# Altium PCB PCB1.PcbDoc
Units mil, origin at the board's own origin, x right, y up, seen from the top; angles counter-clockwise.
Board outline 1965.03 x 2570.03 mil, 4 copper layers (Top Layer, Layer 1, Layer 2, Bottom Layer), stack 23.756 mil thick; 73 components, 88 nets, 357 pads, 118 vias.
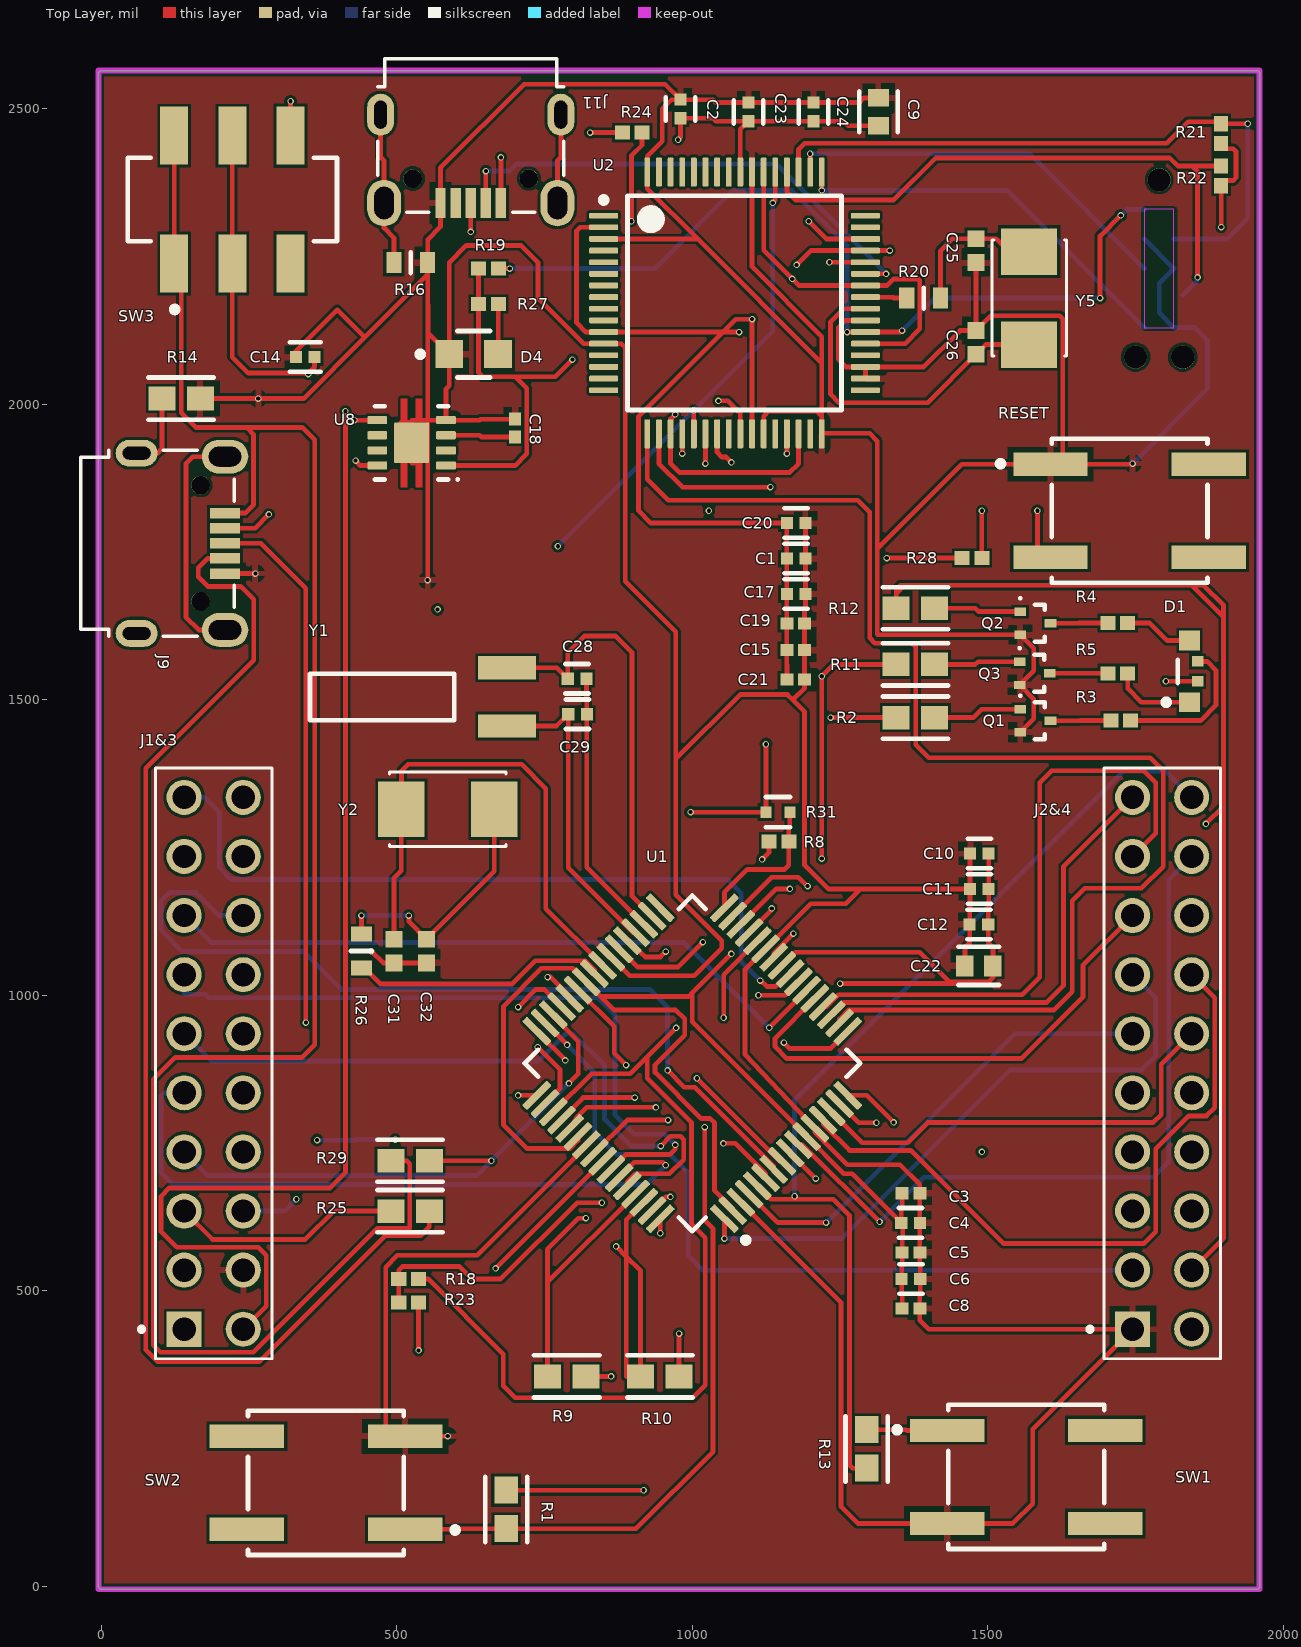
[diagram p0: Top Layer view]
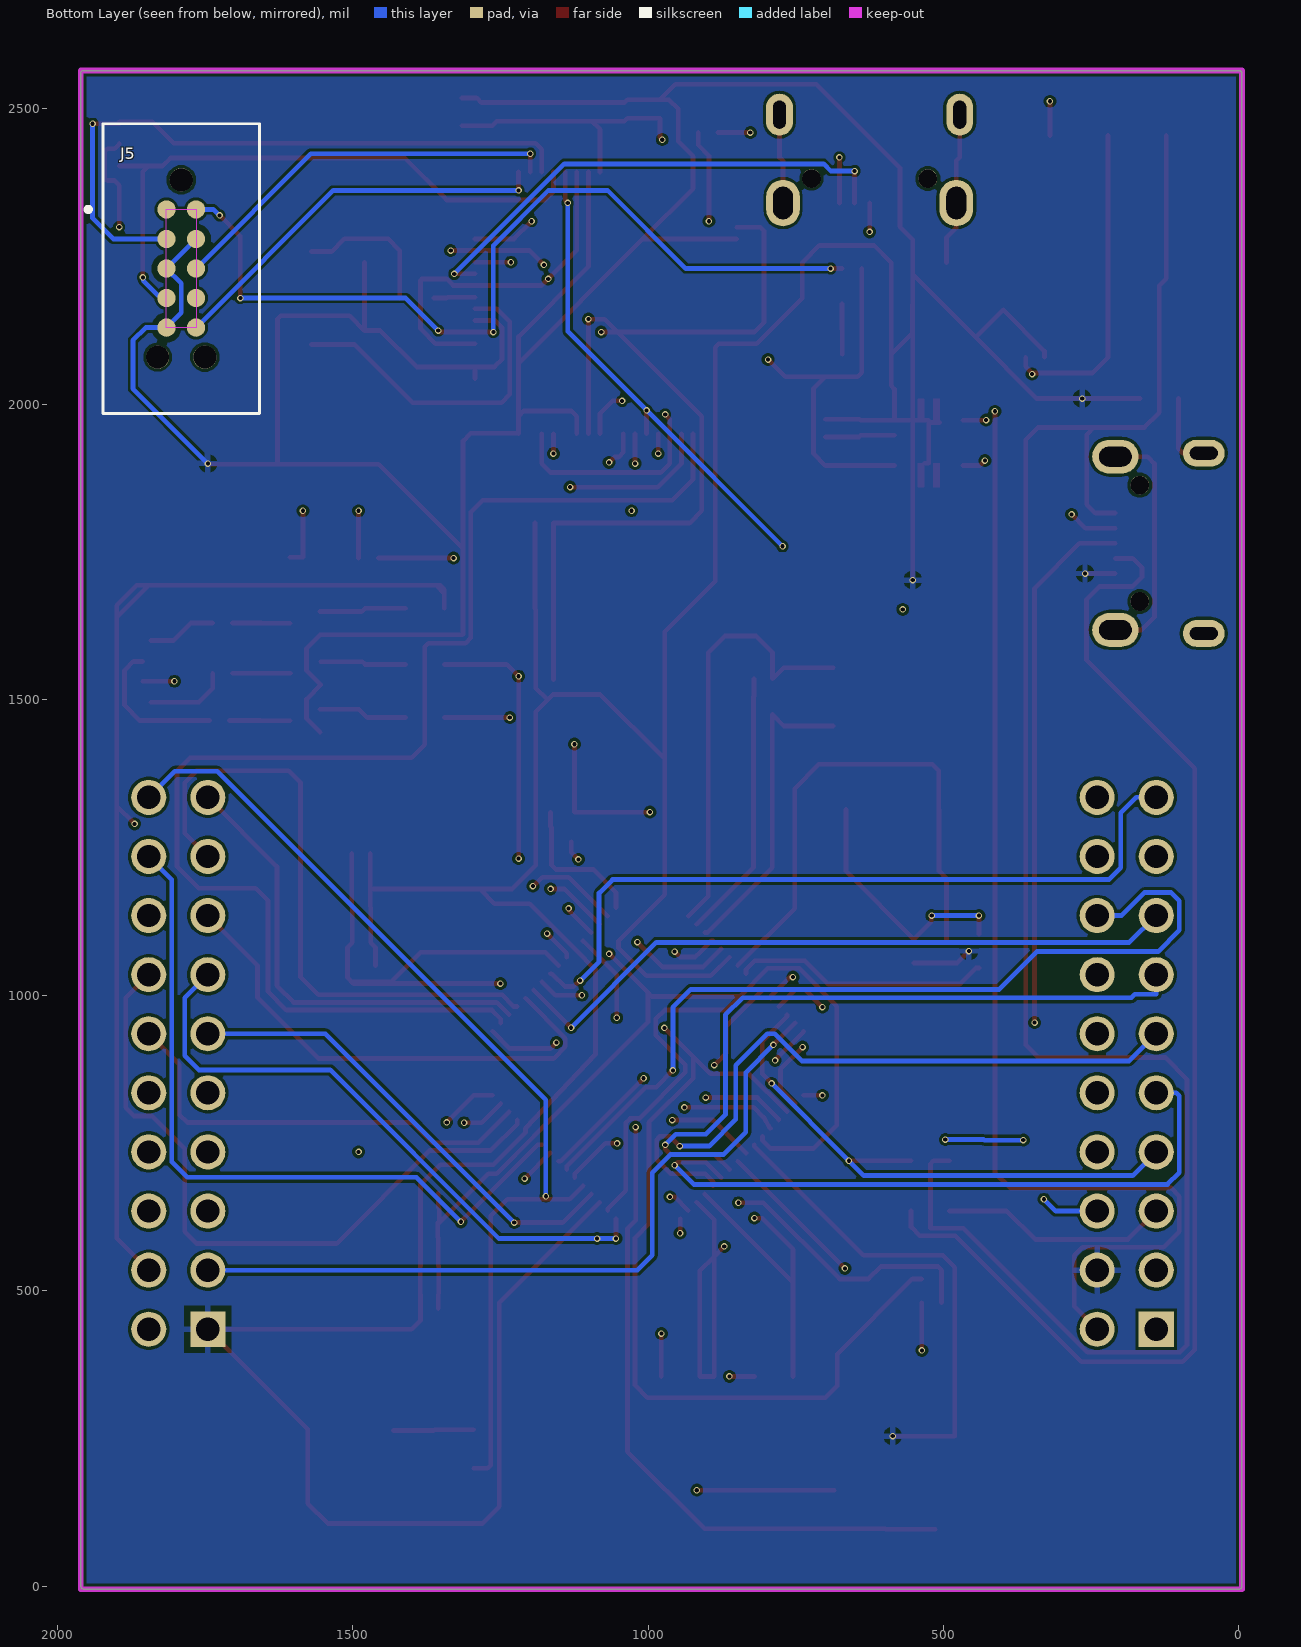
[diagram p1: Bottom Layer view, seen from below]
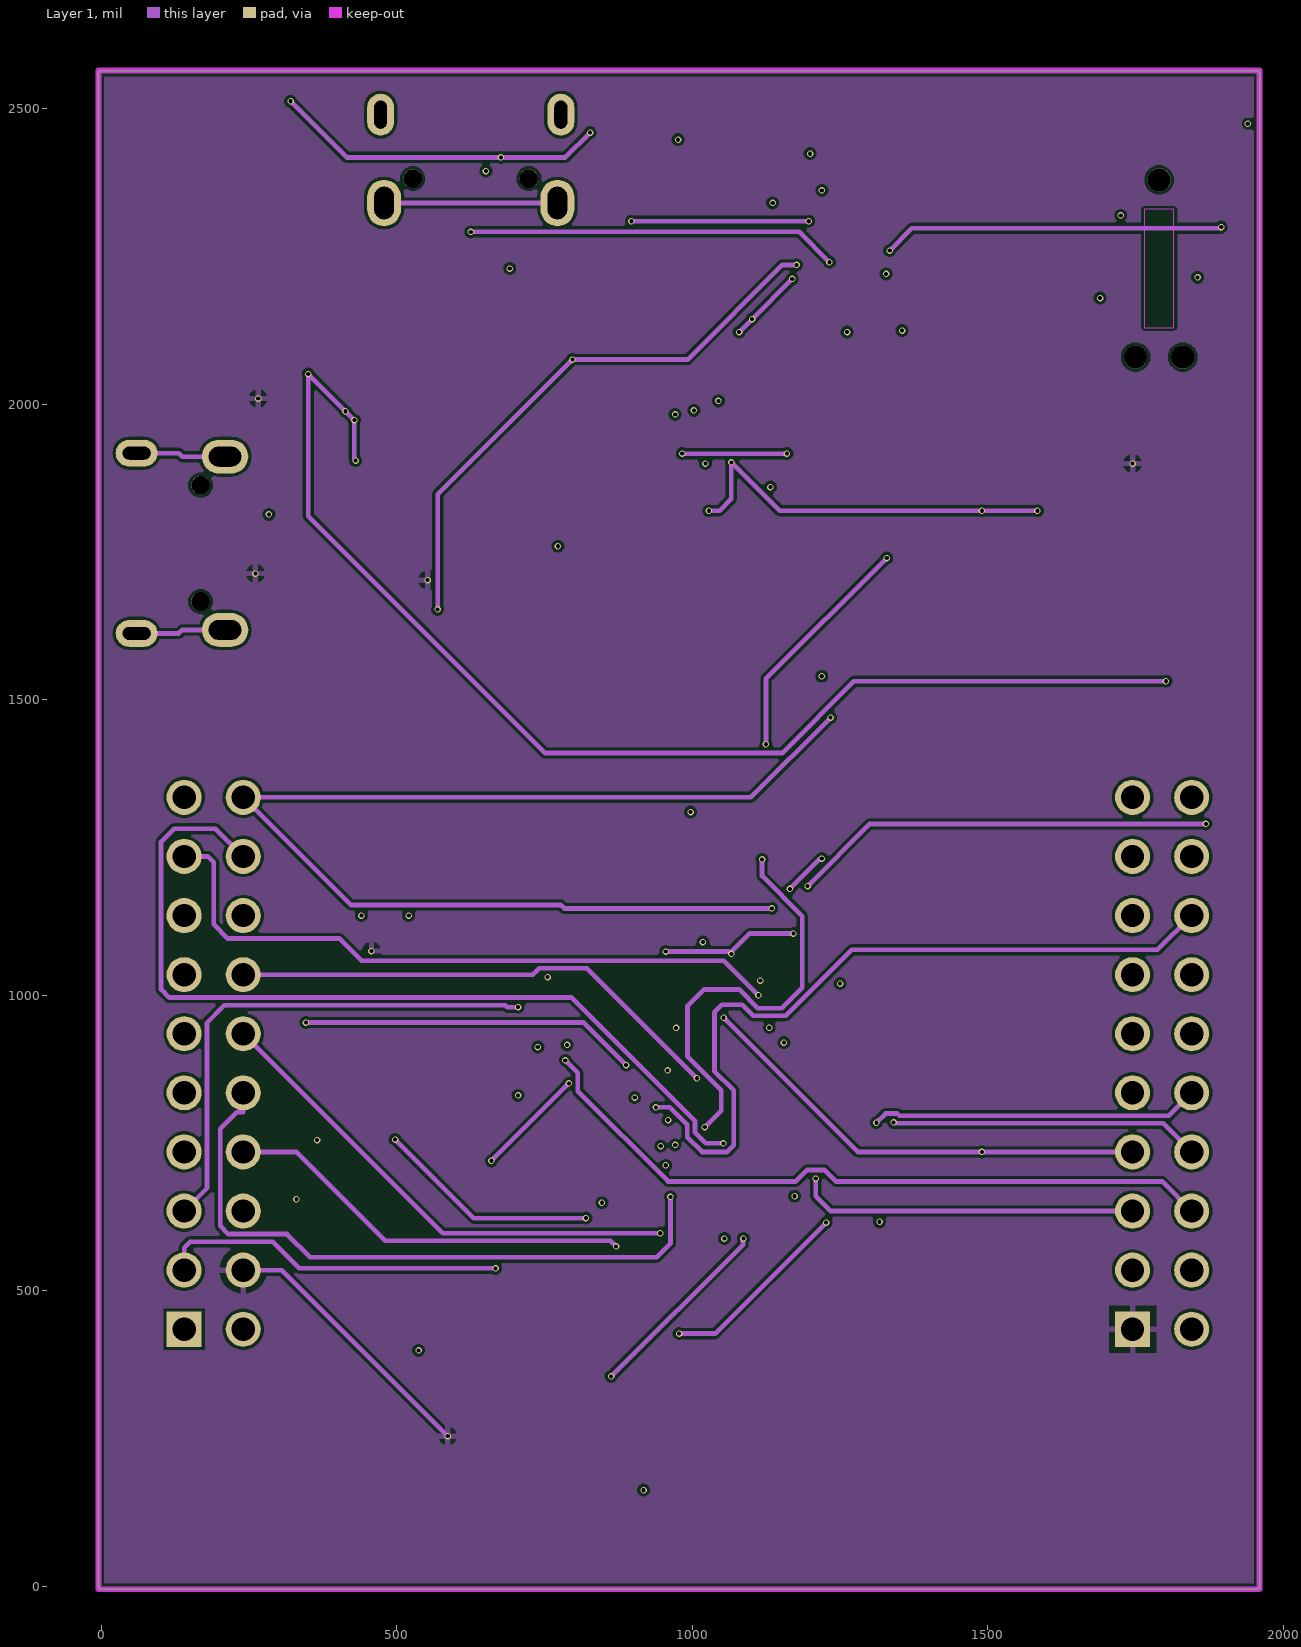
[diagram p2: Layer 1]
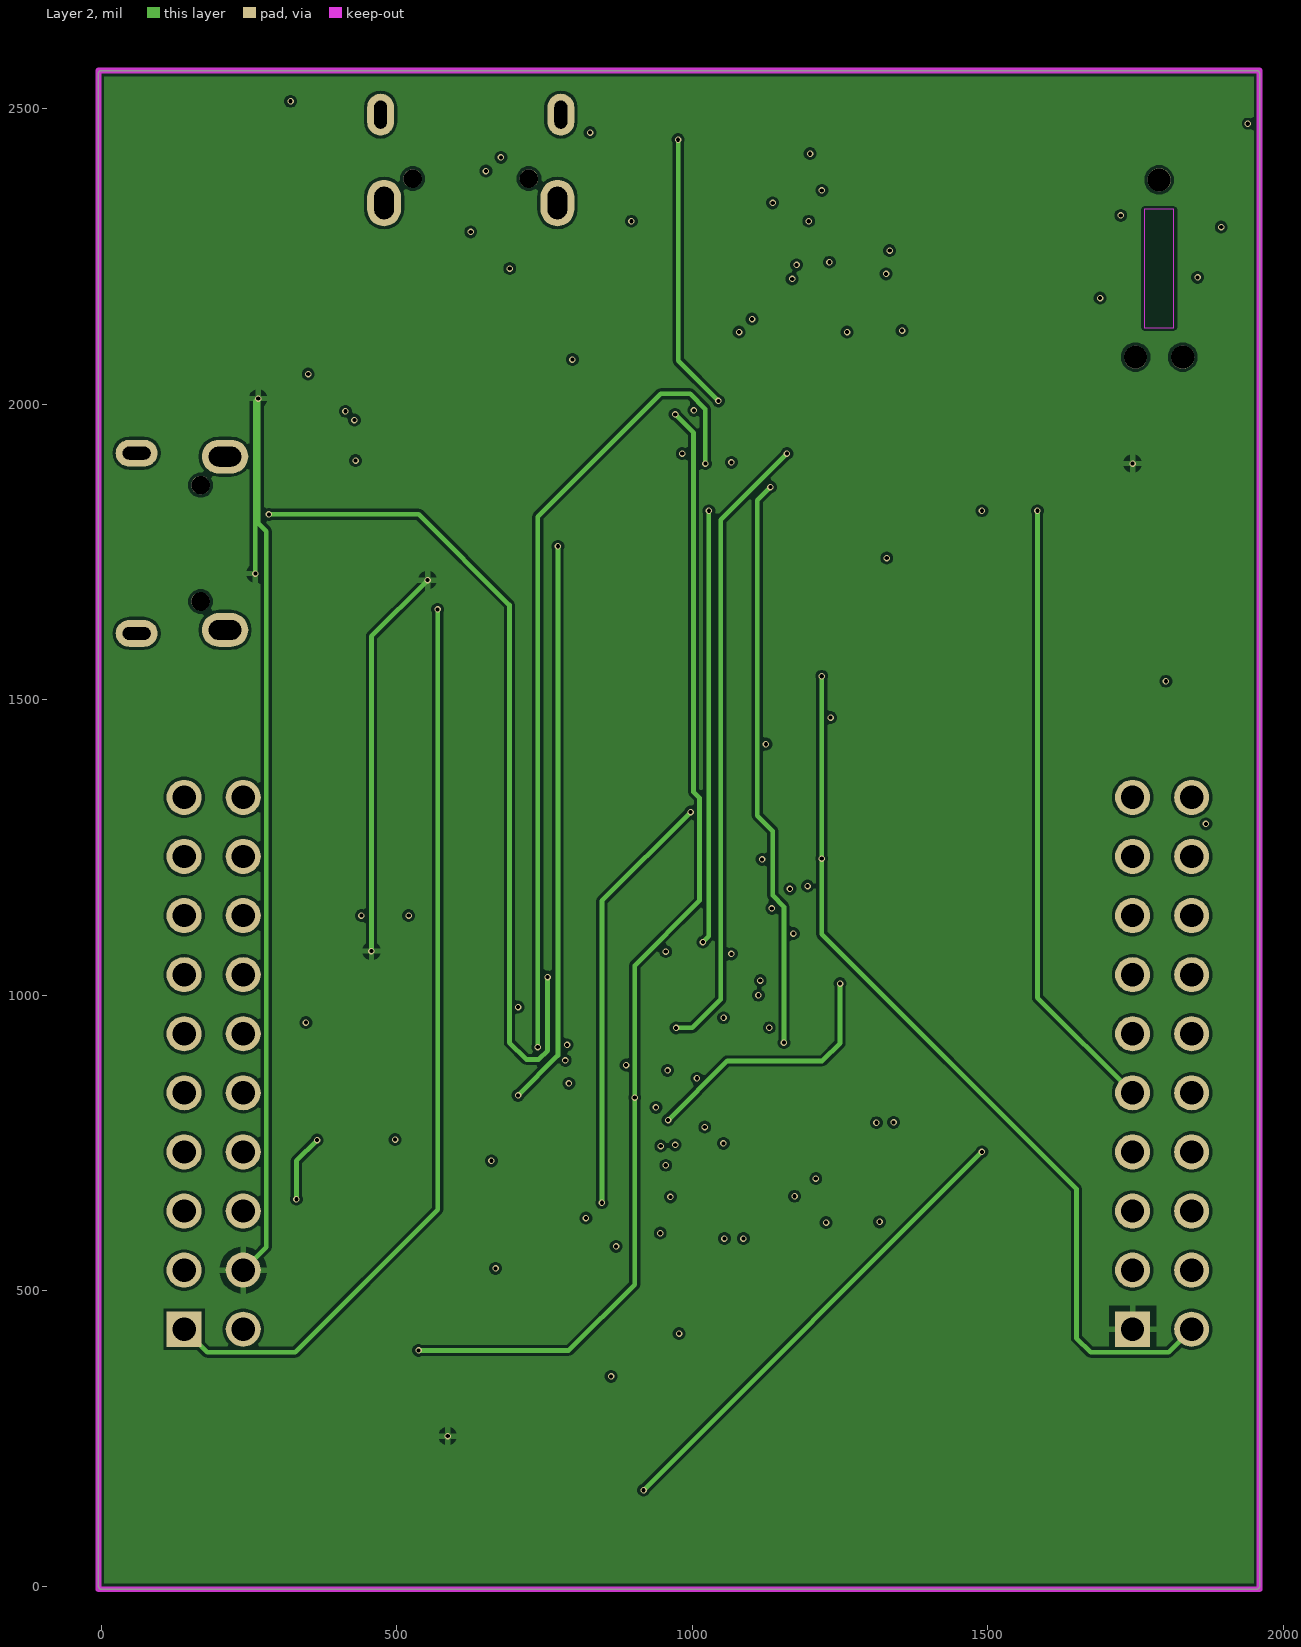
[diagram p3: Layer 2]
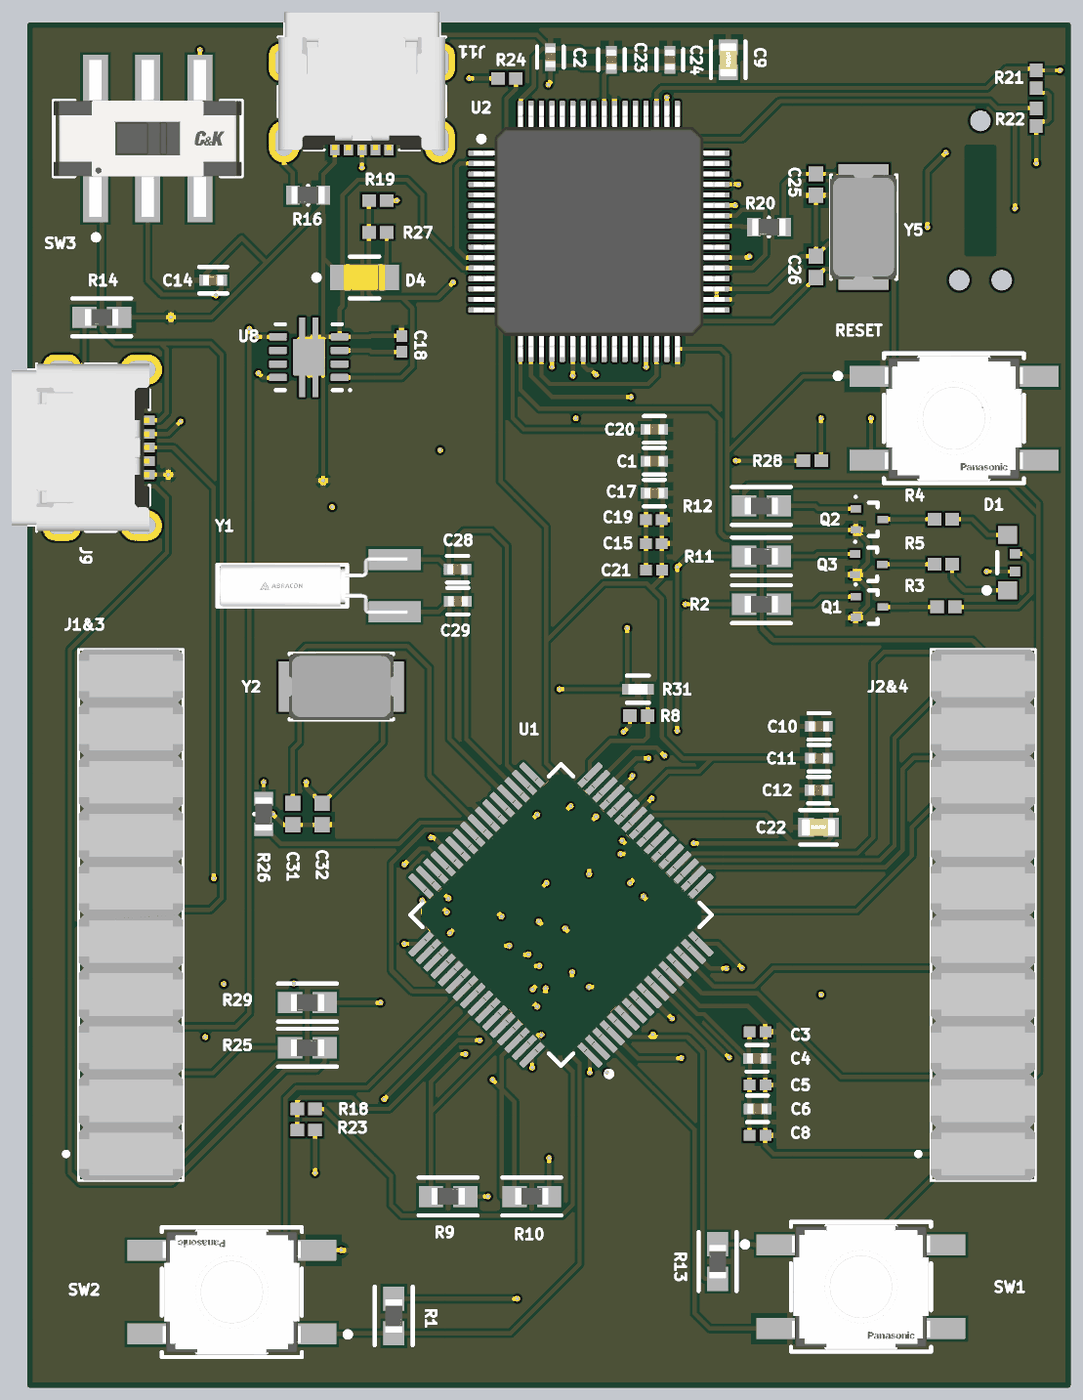
[diagram p4: 3D render of the assembled board from above, using the file's embedded part models]

## Layer stack, top to bottom
Top Solder: solder mask 0.4, Solder Resist, Dk 3.5
Top Layer: signal copper 1.4
Dielectric 2: prepreg 2.8, PP-006, Dk 4.1
Layer 1: signal copper 1.378
Dielectric 1: dielectric 12.6, FR-4, Dk 4.8
Layer 2: signal copper 1.378
Dielectric 3: prepreg 2.8, PP-006, Dk 4.1
Bottom Layer: signal copper 1.4
Bottom Solder: solder mask 0.4, Solder Resist, Dk 3.5

## Board outline
0,-5.01 cw(c0,0) -5.01,0 -5.01,2560 cw(c0,2560) 0,2565.01 1955,2565.01 cw(c1955,2560) 1960.01,2560 1960.01,0 cw(c1955,0) 1955,-5.01

## Design rules (kind name [scope] priority, off if disabled: settings)
Clearance [All] p1: gap=5 ignorepadtopadclearanceinfootprint=FALSE except(0: Track-Region SMDPad-Region)
MinimumSolderMaskSliver [All] p1: minsoldermaskwidth=1
PolygonConnect [All] p1: connectstyle=Relief reliefconductorwidth=10 reliefentries=4 polygonreliefangle="90 Angle" airgapwidth=10
RoutingVias [All] p1: holewidth=7 width=11 viastyle="Through Hole" minholewidth=6 minwidth=10 maxholewidth=8 maxwidth=12
SilkToSilkClearance [All] p1: silktosilkclearance=5
SilkToSolderMaskClearance [IsPad] p1: minsilkscreentomaskgap=5 clearancetoexposedcopper=TRUE
SolderMaskExpansion [All] p1: expansion=4 istentingtop=FALSE
Width [All] p1: maxlimit=20 minlimit=3.5 preferedwidth=8 minimp=50.000000 maximp=50.000000 favimp=50.000000
27 further rules are at their usual default settings.

## Components (designator, comment, footprint, x,y, rotation, side; value= is the part's Value field where it differs from the comment)
C1 "0.1uF" FP-C0402-BB-MFG 1175.75,1739.17 r0 top value="0.10 μF"
C2 "0.1uF" FP-C0402-BB-MFG 980,2500 r90 top value="0.10 μF"
C3 "0.01uF" CAPC1005X55X30LL05T10 1370,665 r180 top
C4 "0.1uF" FP-C0402-BB-MFG 1369.25,615 r0 top value="0.10 μF"
C5 "0.01uF" CAPC1005X55X30LL05T10 1370,565 r180 top
C6 "0.1uF" FP-C0402-BB-MFG 1370,520 r0 top value="0.10 μF"
C8 "0.01uF" CAPC1005X55X30LL05T10 1370,470 r180 top
C9 "2.2uF" FP-C0603C225K4PACTU-MFG 1315,2495 r90 top
C10 "0.1uF" FP-C0402-BB-MFG 1485.75,1240 r180 top value="0.10 μF"
C11 "0.1uF" FP-C0402-BB-MFG 1485.75,1180 r180 top value="0.10 μF"
C12 "0.1uF" FP-C0402-BB-MFG 1485,1120 r180 top value="0.10 μF"
C14 "C0402C105K8PACTU" FP-C0402C105K8PACTU-MFG 345,2080 r180 top
C15 "0.01uF" CAPC1005X55X30LL05T10 1174.96,1584.17 r180 top
C17 "0.1uF" FP-C0402-BB-MFG 1175.75,1679.17 r0 top value="0.10 μF"
C18 "C0402C103K5RACTU" CAPC1005X55X30LL05T10 700,1960 r270 top
C19 "0.01uF" CAPC1005X55X30LL05T10 1174.96,1629.17 r180 top
C20 "0.1uF" FP-C0402-BB-MFG 1175.75,1799.17 r0 top value="0.10 μF"
C21 "0.01uF" CAPC1005X55X30LL05T10 1175,1534.17 r180 top
C22 "2.2uF" FP-C0603C225K4PACTU-MFG 1485,1050 r180 top
C23 "0.1uF" FP-C0402-BB-MFG 1095,2495 r90 top value="0.10 μF"
C24 "0.1uF" FP-C0402-BB-MFG 1205,2495 r90 top value="0.10 μF"
C25 "10pF" CAPC1005X55X25ML05T05 1480,2260.08 r90 top
C26 "10pF" CAPC1005X55X25ML05T05 1480,2105 r270 top
C28 "24pF" FP-C0402-BB-MFG 805,1535.75 r0 top value="24 pF"
C29 "24pF" FP-C0402-BB-MFG 805.75,1475.75 r180 top value="24 pF"
C31 "10pF" CAPC1005X55X25ML05T05 495,1074.92 r90 top
C32 "10pF" CAPC1005X55X25ML05T05 550,1074.92 r90 top
D1 "HSMF-C113" AVAG-HSMF-C11X_H1_V 1841.22,1548.27 r90 top
D4 "LTST-C170AKT" FP-LTST-C170AKT-MFG 630,2085 r0 top
J1&3 "1-826656-0" TE_1-826656-0 190,885 r90 top
J2&4 "1-826656-0" TE_1-826656-0 1795,885 r90 top
J5 "TC2050-IDC-NL" TAG-CONNECT_TC2050-IDC-NL 1815,2330 r180 bottom
J9 "629105150521" 629105150521 95,1765 r270 top
J11 "629105150521" 629105150521 625,2455 r180 top
Q1 "DTC114EET1G" ONSC-SC-75-3-463-01_V 1580.49,1464.69 r0 top
Q2 "DTC114EET1G" ONSC-SC-75-3-463-01_V 1580.49,1629.69 r0 top
Q3 "DTC114EET1G" ONSC-SC-75-3-463-01_V 1579.51,1545 r0 top
R1 "CR0603-JW-102ELF" FP-CR0603-IPC_A 685,130 r270 top
R2 "CR0603-JW-102ELF" FP-CR0603-IPC_A 1377.44,1470 r0 top
R3 "CR0402-FX-3300GLF" RESC1005X40X25NL10T10 1725,1465 r0 top
R4 "CR0402-FX-3300GLF" RESC1005X40X25NL10T10 1720,1630 r0 top
R5 "CR0402-FX-3300GLF" RESC1005X40X25NL10T10 1720,1545 r0 top
R8 "CR0402-FX-3300GLF" RESC1005X40X25NL10T10 1146.55,1260 r180 top
R9 "CR0603-JW-102ELF" FP-CR0603-IPC_A 787.44,355 r0 top
R10 "CR0603-JW-102ELF" FP-CR0603-IPC_A 945,355 r0 top
R11 "CR0603-JW-102ELF" FP-CR0603-IPC_A 1377.44,1560 r0 top
R12 "CR0603-JW-102ELF" FP-CR0603-IPC_A 1377.44,1655 r0 top
R13 "CR0603-JW-102ELF" FP-CR0603-IPC_A 1295,232.44 r90 top
R14 "CR0603-JW-102ELF" FP-CR0603-IPC_A 135,2010 r180 top
R16 "0" FP-CR0603-MFG 523.54,2240 r180 top
R18 "10k" RESC1005X40X25NL10T10 520,520 r0 top
R19 "CR0402-FX-1002GLF" RESC1005X40X25NL10T10 655,2230 r180 top
R20 "0" FP-CR0603-MFG 1391.46,2180 r180 top
R21 "10k" RESC1005X40X25NL10T10 1895,2458.27 r90 top
R22 "10k" RESC1005X40X25NL10T10 1895,2386.73 r90 top
R23 "10k" RESC1005X40X25NL10T10 520,480 r0 top
R24 "330" RESC1005X40X25NL10T10 898.27,2460 r0 top
R25 "CR0603-JW-102ELF" FP-CR0603-IPC_A 522.44,635 r0 top
R26 "CR0603-J/-000ELF" FP-CR0603-MFG 440,1075 r270 top
R27 "CR0402-FX-3300GLF" RESC1005X40X25NL10T10 655,2170 r180 top
R28 "10k" RESC1005X40X25NL10T10 1473.27,1740 r0 top
R29 "CR0603-JW-102ELF" FP-CR0603-IPC_A 522.44,720 r180 top
R31 "1M" FP-CR0402-MFG 1144.82,1310 r180 top
RESET "EVQ-Q2B02W" FP-EVQ-Q2B02W-MFG 1740,1820 r0 top
SW1 "EVQ-Q2B02W" FP-EVQ-Q2B02W-MFG 1565,185 r0 top
SW2 "EVQ-Q2B02W" FP-EVQ-Q2B02W-MFG 380,175 r180 top
SW3 "JS202011SCQN" FP-JS202011SCQN-MFG 221.57,2346.73 r0 top
U1 "TM4C123GH6PMI7" FP-PM0064A-MFG 1000,885 r135 top
U2 "TM4C123GH6PMI" PM0064A_L 1071.46,2171.73 r0 top
U8 "TPS73633DRBR" DRB0008A_V 525,1935 r180 top
Y1 "32.7680KHZ" FP-AB26TRB-MFG 475,1505 r0 top
Y2 "16MHZ" XTAL_NX5032GA-16.000000MHZ-LN-CD-1 586.26,1315 r0 top
Y5 "16MHZ" XTAL_NX5032GA-16.000000MHZ-LN-CD-1 1570,2180 r270 top

## Footprints (in the part's own frame and the unit in brackets; to place one, negate y for a bottom-side part, rotate by r counter-clockwise, add the part's x,y. Pads: shape width x height; smd on the part's side, far side on the other; paste and mask are expansions set on the pad)
629105150521 [mm] "Micro USB 2.0 SMT Type B Horizontal 5 Contacts High Current"
  rect 0.45x1.3 smd: 1(-1.3,2.9) 2(-0.65,2.9) 3(0,2.9) 4(0.65,2.9) 5(1.3,2.9)
  round 0.8 hole 0.8 unplated: MH1(-2.5,1.85) MH2(2.5,1.85)
  oval 1.15x1.8 hole 0.55 slot 1.2 at 90 deg: Shell(-3.875,-0.9) Shell(3.875,-0.9)
  oval 1.45x2 hole 0.85 slot 1.4 at 90 deg: Shell(-3.725,2.9) Shell(3.725,2.9)
  silkscreen extent -4,-3.3 4,3.3, body extent -4,-3.3 4,3.3, height 2.75
AVAG-HSMF-C11X_H1_V [mm] "SMD, 4-Leads, Body 2.5x1mm"
  rect 0.85x0.9 smd: 1(-1.325,0) 4(1.325,0)
  rect 0.45x0.5 smd: 2(-0.425,-0.35) 3(0.425,-0.35)
  silkscreen extent -1.45,0.5 0.5,1.12, body extent -1.25,-0.5 1.25,0.5, height 1
CAPC1005X55X25ML05T05 [mm] "Chip Capacitor, 2-Leads, Body 1.00x0.50mm, IPC Low Density"
  rect 0.72x0.72 smd: 1(-0.51,0) 2(0.51,0)
  body extent -0.53,-0.28 0.53,0.27, height 0.55
CAPC1005X55X30LL05T10 [mm] "Chip Capacitor, 2-Leads, Body 1.00x0.50mm, IPC High Density"
  rect 0.56x0.52 smd: 1(-0.38,0) 2(0.38,0)
  body extent -0.53,-0.28 0.53,0.28, height 0.55
DRB0008A_V [mm] "SON, 8-Leads, Body 3x3mm, Pitch 0.65mm, Thermal Pad 1.50 x 3.8mm"
  rrect29% 0.85x0.35 smd: 1(-1.475,0.975) 2(-1.475,0.325) 3(-1.475,-0.325) 4(-1.475,-0.975) 5(1.475,-0.975) 6(1.475,-0.325) 7(1.475,0.325) 8(1.475,0.975)
  rrect7% 1.5x1.75 smd: 9(0,0)
  Top Layer region: 0.185,0.875 0.185,1.9 0.465,1.9 0.465,0.875
  Top Layer region: -0.185,-0.875 -0.185,-1.9 -0.465,-1.9 -0.465,-0.875
  Top Layer region: 0.185,-0.875 0.185,-1.9 0.465,-1.9 0.465,-0.875
  Top Layer region: -0.185,0.875 -0.185,1.9 -0.465,1.9 -0.465,0.875
  silkscreen extent -2.02,-1.58 1.58,1.62, body extent -1.5,-1.5 1.5,1.5, height 1
FP-AB26TRB-MFG [mm]
  rect 2.5x1 smd paste+0 mask+0: 1(5.375,1.25) 2(5.375,-1.25)
  silkscreen extent -3.1,-1 3.1,1, body extent -3.2,-1.85 6.73,1.85, height 0.25
FP-C0402-BB-MFG [mm]
  rect 0.52x0.52 smd paste+0 mask+0: 1(-0.4,0) 2(0.4,0)
  silkscreen extent -0.5,-0.64 0.5,0.64, body extent -0.8,-0.4 0.8,0.4, height 0.25
FP-C0402C105K8PACTU-MFG [mm]
  rect 0.52x0.52 smd paste+0 mask+0: 1(-0.4,0) 2(0.4,0)
  silkscreen extent -0.67,-0.64 0.67,0.64, body extent -0.8,-0.4 0.8,0.4, height 0.25
FP-C0603C225K4PACTU-MFG [mm]
  rect 0.75x0.9 smd paste+0 mask+0: 1(-0.6,0) 2(0.6,0)
  silkscreen extent -0.87,-0.82 0.87,0.82, body extent -1.2,-0.6 1.2,0.6, height 0.25
FP-CR0402-MFG [mm]
  rect 0.475x0.5 smd paste+0 mask+0: 1(-0.513,0) 2(0.513,0)
  silkscreen extent -0.53,-0.65 0.53,0.65, body extent -0.85,-0.38 0.85,0.38, height 0.25
FP-CR0603-IPC_A [mil]
  rect 45.6x39.85 smd paste+0 mask+0: 1(-32.56,0) 2(32.56,0)
  silkscreen extent -55,-36 55,36, body extent -75,-40 75,40, height 10
FP-CR0603-MFG [mm]
  rect 0.65x0.9 smd paste+0 mask+0: 1(-0.725,0) 2(0.725,0)
  silkscreen extent 0,-0.45 0,0.45, body extent -1.15,-0.55 1.15,0.55, height 0.25
FP-EVQ-Q2B02W-MFG [mm]
  rect 3.2x1 smd paste+0 mask+0: A(-3.4,2) A'(3.4,2) B(-3.4,-2) B'(3.4,-2)
  silkscreen extent -5.67,-3.1 3.35,3.1, body extent -5.1,-3.2 5.1,3.2, height 0.25
FP-JS202011SCQN-MFG [mm]
  rect 1.2x2.5 smd paste+0 mask+0: 1(-2.5,-2.75) 2(0,-2.75) 3(2.5,-2.75) 4(-2.5,2.75) 5(0,2.75) 6(2.5,2.75)
  silkscreen extent -4.5,-4.85 4.5,1.8, body extent -4.6,-4.1 4.6,4.1, height 0.25
FP-LTST-C170AKT-MFG [mm]
  rect 1.2x1.2 smd paste+0 mask+0: 1(-1.05,0) 2(1.05,0)
  silkscreen extent -2.42,-1 0.7,1, body extent -1.75,-0.77 1.75,0.77, height 0.25
FP-PM0064A-MFG [mm]
  rrect33% 1.5x0.3 smd paste+0 mask+0: 1(-5.7,3.75) 2(-5.7,3.25) 3(-5.7,2.75) 4(-5.7,2.25) 5(-5.7,1.75) 6(-5.7,1.25) 7(-5.7,0.75) 8(-5.7,0.25) 9(-5.7,-0.25) 10(-5.7,-0.75) 11(-5.7,-1.25) 12(-5.7,-1.75) 13(-5.7,-2.25) 14(-5.7,-2.75) 15(-5.7,-3.25) 16(-5.7,-3.75) 33(5.7,-3.75) 34(5.7,-3.25) 35(5.7,-2.75) 36(5.7,-2.25) 37(5.7,-1.75) 38(5.7,-1.25) 39(5.7,-0.75) 40(5.7,-0.25) 41(5.7,0.25) 42(5.7,0.75) 43(5.7,1.25) 44(5.7,1.75) 45(5.7,2.25) 46(5.7,2.75) 47(5.7,3.25) 48(5.7,3.75)
  rrect33% 0.3x1.5 smd paste+0 mask+0: 17(-3.75,-5.7) 18(-3.25,-5.7) 19(-2.75,-5.7) 20(-2.25,-5.7) 21(-1.75,-5.7) 22(-1.25,-5.7) 23(-0.75,-5.7) 24(-0.25,-5.7) 25(0.25,-5.7) 26(0.75,-5.7) 27(1.25,-5.7) 28(1.75,-5.7) 29(2.25,-5.7) 30(2.75,-5.7) 31(3.25,-5.7) 32(3.75,-5.7) 49(3.75,5.7) 50(3.25,5.7) 51(2.75,5.7) 52(2.25,5.7) 53(1.75,5.7) 54(1.25,5.7) 55(0.75,5.7) 56(0.25,5.7) 57(-0.25,5.7) 58(-0.75,5.7) 59(-1.25,5.7) 60(-1.75,5.7) 61(-2.25,5.7) 62(-2.75,5.7) 63(-3.25,5.7) 64(-3.75,5.7)
  silkscreen extent -7.12,-5.1 5.1,5.1, body extent -6.55,-6.55 6.55,6.55, height 0.25
ONSC-SC-75-3-463-01_V [mil] "SOT23, 3-Leads, Body 1.6x0.8mm, Pitch 0.5mm"
  rect 20x14.02 smd: 1(-25.49,19.68) 2(-25.49,-19.69) 3(25.49,0)
  silkscreen extent -27,-31 16,44, body extent -16,-31 16,31, height 35
PM0064A_L [mm] "QFP, 64-Leads, Body 10x10mm, Pitch 0.5mm, IPC High Density"
  rrect40% 1.25x0.25 smd: 1(-5.625,3.75) 2(-5.625,3.25) 3(-5.625,2.75) 4(-5.625,2.25) 5(-5.625,1.75) 6(-5.625,1.25) 7(-5.625,0.75) 8(-5.625,0.25) 9(-5.625,-0.25) 10(-5.625,-0.75) 11(-5.625,-1.25) 12(-5.625,-1.75) 13(-5.625,-2.25) 14(-5.625,-2.75) 15(-5.625,-3.25) 16(-5.625,-3.75) 33(5.625,-3.75) 34(5.625,-3.25) 35(5.625,-2.75) 36(5.625,-2.25) 37(5.625,-1.75) 38(5.625,-1.25) 39(5.625,-0.75) 40(5.625,-0.25) 41(5.625,0.25) 42(5.625,0.75) 43(5.625,1.25) 44(5.625,1.75) 45(5.625,2.25) 46(5.625,2.75) 47(5.625,3.25) 48(5.625,3.75)
  rrect40% 0.25x1.25 smd: 17(-3.75,-5.625) 18(-3.25,-5.625) 19(-2.75,-5.625) 20(-2.25,-5.625) 21(-1.75,-5.625) 22(-1.25,-5.625) 23(-0.75,-5.625) 24(-0.25,-5.625) 25(0.25,-5.625) 26(0.75,-5.625) 27(1.25,-5.625) 28(1.75,-5.625) 29(2.25,-5.625) 30(2.75,-5.625) 31(3.25,-5.625) 32(3.75,-5.625) 49(3.75,5.625) 50(3.25,5.625) 51(2.75,5.625) 52(2.25,5.625) 53(1.75,5.625) 54(1.25,5.625) 55(0.75,5.625) 56(0.25,5.625) 57(-0.25,5.625) 58(-0.75,5.625) 59(-1.25,5.625) 60(-1.75,5.625) 61(-2.25,5.625) 62(-2.75,5.625) 63(-3.25,5.625) 64(-3.75,5.625)